# Altium PCB betrusted_dvt1b-dfm.PcbDoc (part 5 of 6)
Units mm, origin at the board's own origin, x right, y up, seen from the top; angles counter-clockwise.
Board outline 62.8 x 53.83 mm, 6 copper layers (L1, L2, L3, L6, L7, L8), stack 0.693 mm thick; 407 components, 299 nets, 1950 pads, 2038 vias.
Unrouted connection lines stored in the file: 1.
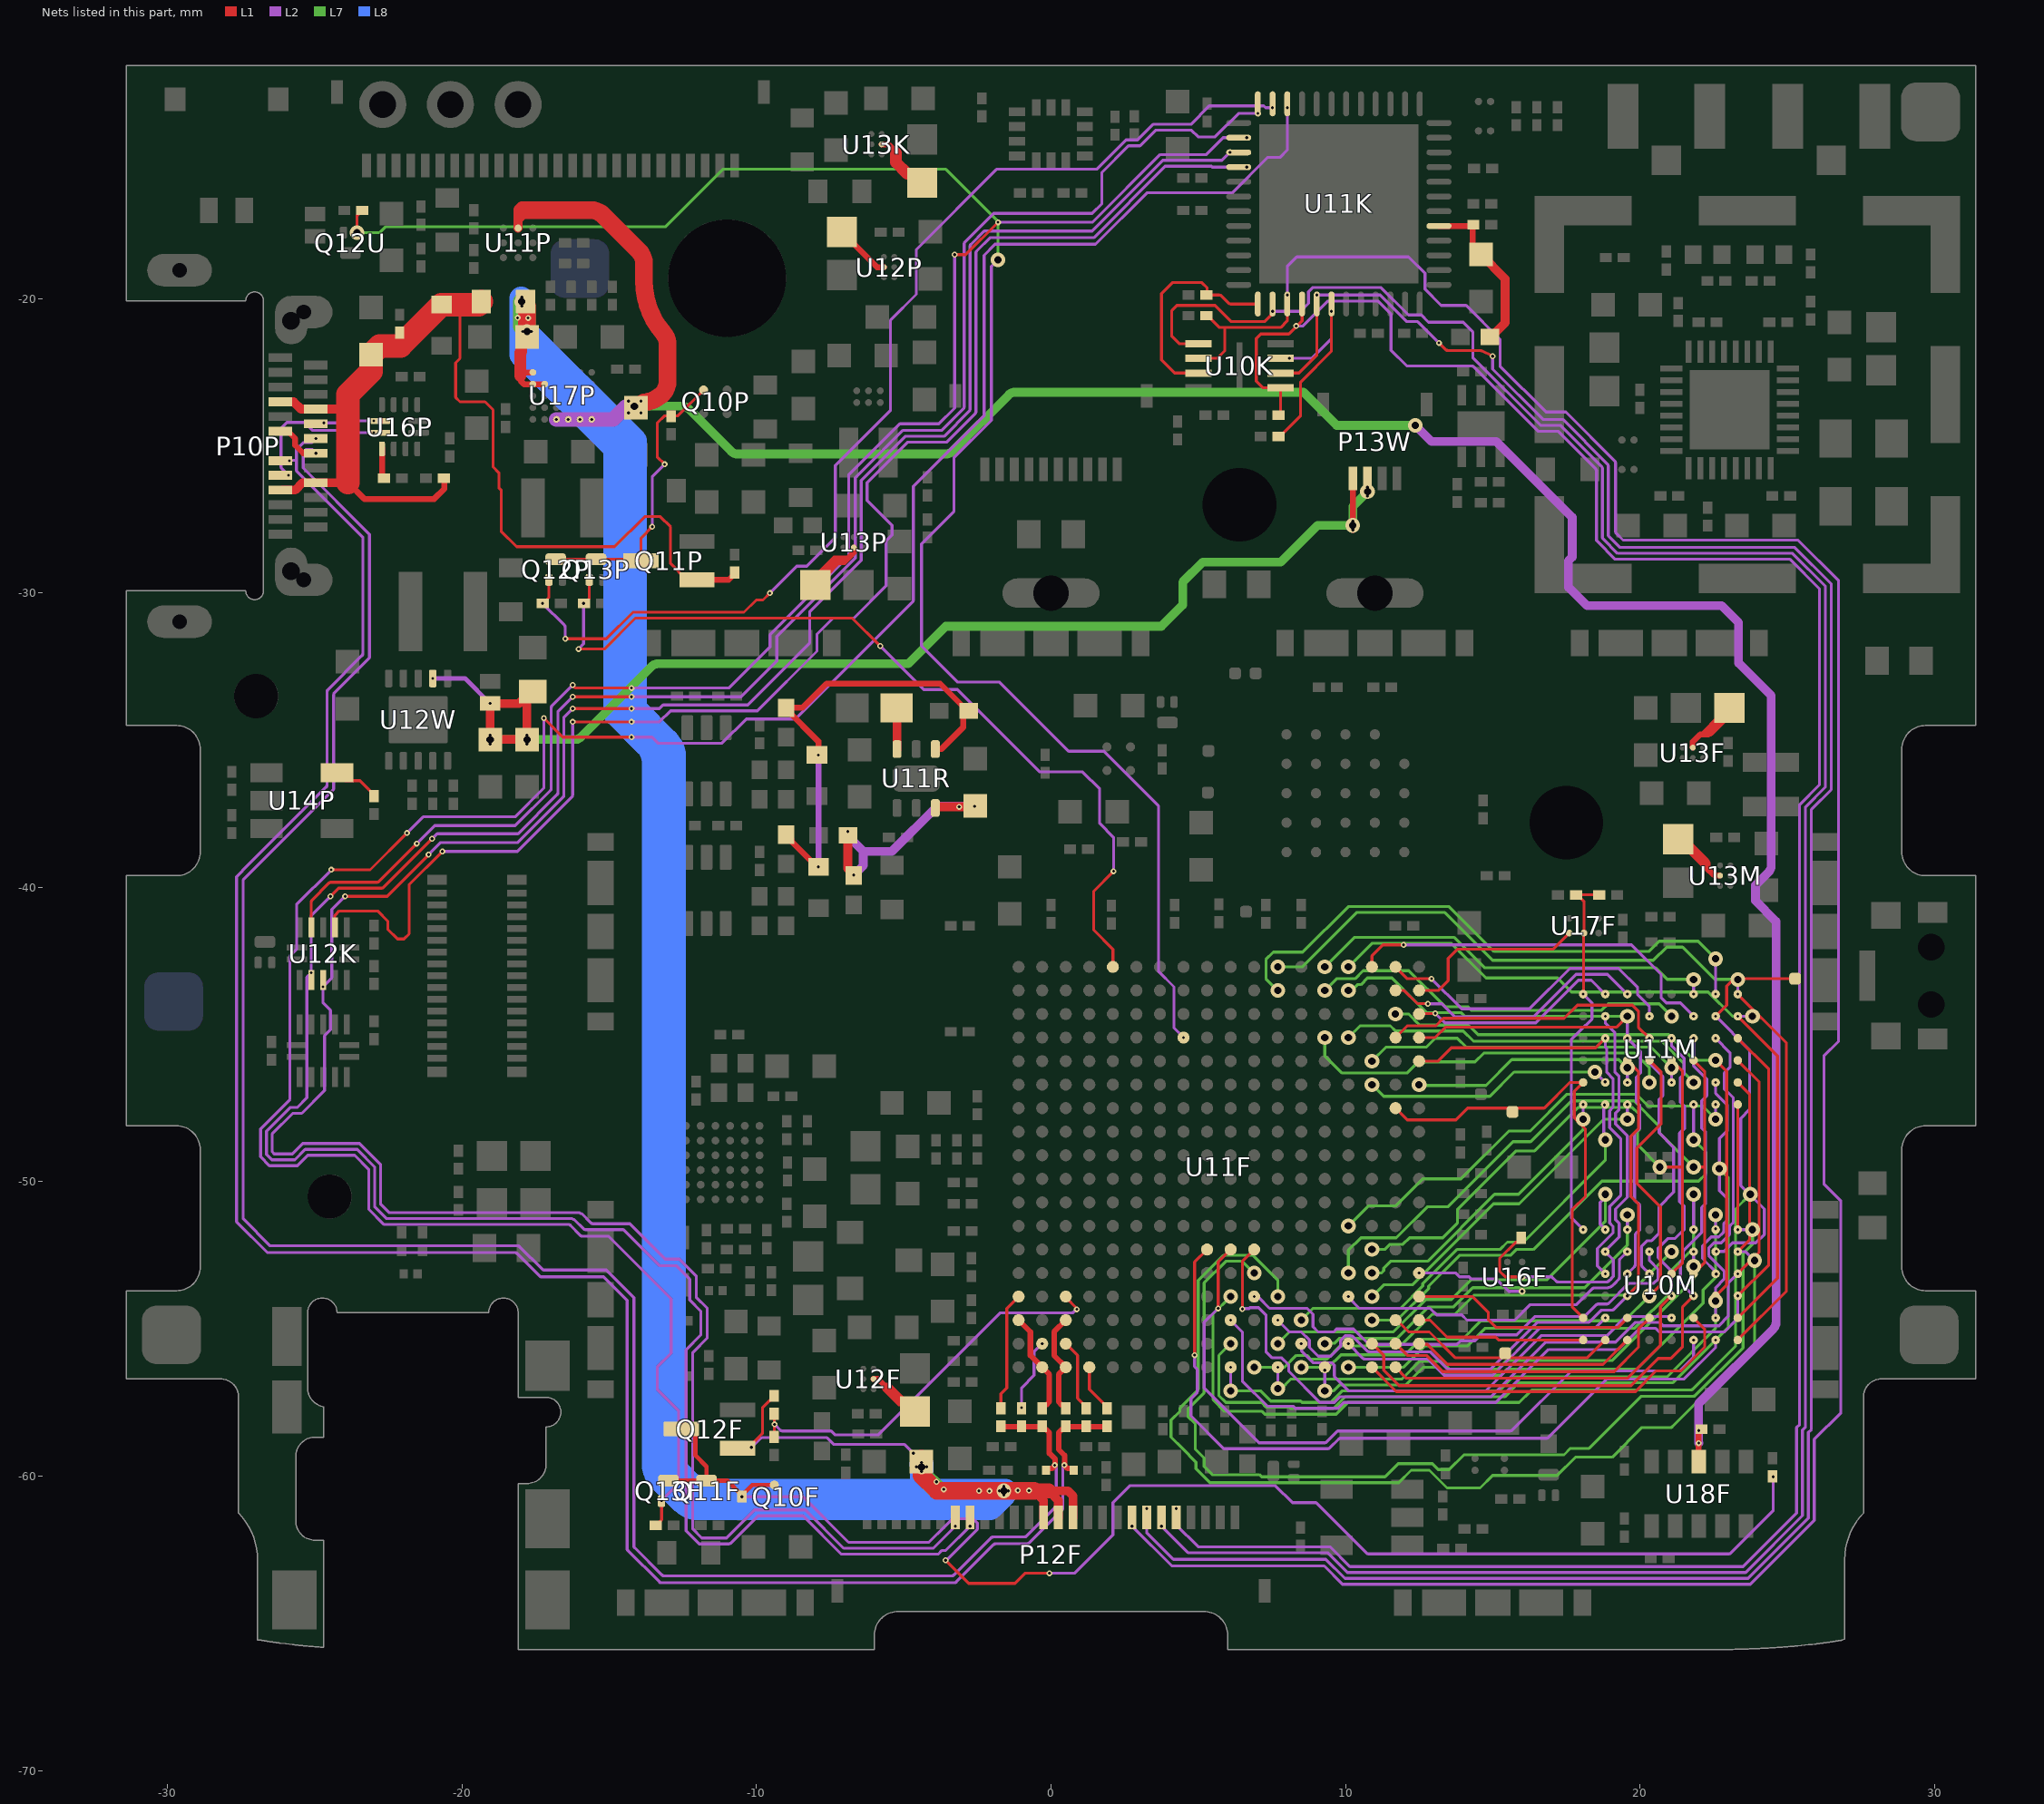
[diagram p9: the nets of this part, all layers, seen from the top]

## Via types
v1: diameter 0.2, hole 0.1, L1 to L2, tented both sides, 1324 vias
v2: diameter 0.5, hole 0.25, L2 to L7, tented both sides, 638 vias
v3: diameter 0.2, hole 0.1, L7 to L8, tented both sides, 44 vias
v4: diameter 0.5, hole 0.25, L1 to L8, 25 vias
v5: diameter 0.5, hole 0.2, L1 to L8, 4 vias
v6: diameter 0.4, hole 0.25, L1 to L8, 2 vias
v7: diameter 0.2, hole 0.1, L1 to L2, tented bottom, 1 vias

## Nets (pads, with @x,y where several pads share a name; then routed paths per layer and width w, separated by ;. In a path a pad name is that pad's centre, name@x,y a point inside that pad or via, vN(x,y) a via of type N, cw(c..) or ccw(c..) an arc to the next point about the centre after c; other vN are vias at no path point) (continued)
SRAM_A4: U10M.B4 U11F.V14 U11M.B4 | length 15.5
  L1 w0.1: U11F.V14@12.5,-45.9 13.15,-45.9 13.6,-45.45 18.5,-45.45 v1(18.825,-45.125)
  L2 w0.1: v1(18.825,-53.125) 18.56,-52.86 18.56,-52.265 19.09,-51.735 19.09,-51.515 18.975,-51.4 18.975,-50.841 19.35,-50.466 19.35,-48.534 18.975,-48.159 18.975,-47.585 19.086,-47.474 19.086,-46.489 18.875,-46.278 18.875,-45.475 18.825,-45.425 v1(18.825,-45.125)
SRAM_A5: U10M.C3 U11F.M3 U11M.C3 | length 22.9
  L1 w0.1: v1(19.575,-53.875) 19.95,-53.5 19.95,-50.75 19.7,-50.5 19.7,-48.45 19.95,-48.2 19.95,-46.25 U11M.C3@19.575,-45.875
  L2 w0.1: v1(7.7,-54.7) 8.1,-55.1 8.5,-55.1 8.775,-55.375 8.775,-55.625 9.075,-55.925 9.5,-55.925 9.835,-55.59 9.835,-55.39 9.99,-55.235 10.186,-55.235 cw(c10.186,-55.335) 10.257,-55.265 10.738,-55.746 ccw(c10.809,-55.675) 10.809,-55.775 12.875,-55.775 13.475,-56.375 14.924,-56.375 16.524,-54.775 18.275,-54.775 18.66,-54.39 cw(c18.73,-54.461) 18.73,-54.361 18.795,-54.361 ccw(c18.795,-54.261) 18.803,-54.361 cw(c18.825,-54.625) 18.847,-54.361 ccw(c18.855,-54.261) 18.855,-54.361 19.047,-54.361 ccw(c19.047,-54.261) 19.118,-54.332 v1(19.575,-53.875)
SRAM_A6: U10M.C4 U11F.R17 U11M.C4 | length 19.6
  L2 w0.1: v1(19.575,-53.125) 19.814,-52.886 ccw(c19.743,-52.815) 19.843,-52.815 19.843,-51.823 cw(c19.943,-51.823) 19.873,-51.752 20,-51.625 20,-50.8 19.825,-50.625 19.825,-48.35 20,-48.175 20,-47.4 19.875,-47.275 19.875,-46.442 20.025,-46.292 20.025,-45.575 v1(19.575,-45.125) v2(19.575,-44.375)
  L7 w0.1: v2(10.1,-43.5) 10.208,-43.5 10.408,-43.3 10.525,-43.3 10.75,-43.075 11.575,-43.075 12.75,-44.25 13.925,-44.25 14.05,-44.375 v2(19.575,-44.375)
  other v1: 10.1,-43.5
SRAM_A7: U10M.D4 U11F.U15 U11M.D4 | length 19
  L1 w0.1: U11F.U15@11.7,-45.1 12.1,-44.7 13.075,-44.7 13.325,-44.45 17.425,-44.45 17.875,-44 19.75,-44 19.95,-44.2 19.95,-44.75 v1(20.325,-45.125)
  L2 w0.1: v1(20.325,-53.125) 20.084,-52.884 cw(c20.154,-52.813) 20.054,-52.813 20.054,-52.237 cw(c20.154,-52.237) 20.084,-52.166 20.25,-52 20.4,-52 20.65,-51.75 20.65,-50.85 21.15,-50.35 21.15,-48.834 20.65,-48.334 20.65,-47.2 20.775,-47.075 20.775,-46.425 20.325,-45.975 v1(20.325,-45.125)
SRAM_A8: U10M.H5 U11F.M4 U11M.H2 | length 42.3
  L1 w0.1: v1(23.325,-52.375) 23.725,-51.975 23.725,-47.025 U11M.H2@23.325,-46.625
  L2 w0.1: v1(23.325,-52.375) 23.6,-52.375 v2(23.9,-52.675)
  L7 w0.1: v2(7.7,-53.9) 7.7,-53.334 6.866,-52.5 5.851,-52.5 5,-53.351 5,-57.029 cw(c4.9,-57.029) 4.971,-57.1 4.404,-57.666 ccw(c4.475,-57.737) 4.375,-57.737 4.375,-57.8 4.075,-58.1 4.075,-58.675 4.456,-59.056 4.926,-59.526 4.926,-59.751 5.4,-60.225 11.809,-60.225 12.234,-59.8 12.85,-59.8 13.45,-60.4 14.575,-60.4 15,-59.975 17.191,-59.975 17.811,-59.356 19.062,-59.356 20.068,-58.35 21.034,-58.35 ccw(c21.034,-58.25) 21.104,-58.321 23.9,-55.525 v2(23.9,-52.675)
  other v1: 7.7,-53.9
SRAM_A9: U10M.H4 U11F.L6 U11M.H3 | length 31.6
  L1 w0.1: v1(6.5,-54.325) 6.5,-52.7 U11F.L6@6.9,-52.3 ; v1(23.325,-53.125) 24.05,-52.4 24.05,-46.6 U11M.H3@23.325,-45.875
  L2 w0.1: v1(6.5,-54.325) 6.519,-54.306 6.728,-54.306 6.759,-54.275 7.05,-54.275 7.3,-54.525 7.3,-55.775 7.5,-55.975 7.825,-55.975 8.075,-56.225 8.075,-56.441 9.134,-57.5 9.625,-57.5 9.825,-57.3 14.95,-57.3 16.8,-55.45 19.175,-55.45 19.85,-54.775 20.675,-54.775 20.79,-54.89 22.685,-54.89 23,-54.575 23,-53.45 v1(23.325,-53.125)
SRAM_A10: U10M.H3 U11F.K3 U11M.H4 | length 31.2
  L1 w0.1: v1(23.325,-53.875) 24.375,-52.825 24.375,-46.175 U11M.H4@23.325,-45.125
  L2 w0.1: v1(6.1,-54.7) 6.5,-55.1 6.5,-56.775 7.35,-57.625 8.225,-57.625 8.3,-57.7 9.75,-57.7 9.95,-57.5 15.1,-57.5 16.9,-55.7 19.275,-55.7 20,-54.975 20.525,-54.975 20.65,-55.1 22.875,-55.1 23.325,-54.65 v1(23.325,-53.875)
SRAM_A11: U10M.H2 U11F.R18 U11M.H5 | length 26.9
  L1 w0.1: U10M.H2@23.325,-54.625 24.675,-53.275 24.675,-45.725 v1(23.325,-44.375)
  L2 w0.1: v1(23.325,-44.375) v2(23.825,-44.375)
  L7 w0.1: v2(10.1,-42.7) 10.9,-41.9 13.6,-41.9 14.775,-43.075 17.2,-43.075 17.675,-43.55 22.316,-43.55 23.141,-44.375 v2(23.825,-44.375)
  other v1: 10.1,-42.7
SRAM_A12: U10M.G3 U11F.U16 U11M.G3 | length 19.8
  L1 w0.1: U10M.G3@22.575,-53.875 22.95,-53.5 22.95,-46.25 v1(22.575,-45.875)
  L7 w0.1: v2(11.7,-44.3) 12.15,-44.3 12.525,-44.675 14.175,-44.675 14.5,-45 20.975,-45 21.85,-45.875 v1(22.575,-45.875)
  other v1: 11.7,-44.3
  other v2: 22.575,-45.875
SRAM_A13: U10M.G2 U11F.K1 U11M.G4 | length 30.1
  L2 w0.1: v2(6.1,-57.1) v1(6.1,-56.3) ; v1(22.575,-54.625) v2(22.575,-54.05) 22.575,-53.592 22.862,-53.305 22.862,-53.024 22.338,-52.5 22.338,-52.254 22.516,-52.075 22.761,-52.075 23.021,-51.816 ccw(c22.95,-51.745) 23.05,-51.745 23.05,-51.54 cw(c23.15,-51.54) 23.079,-51.469 23.175,-51.374 23.175,-47.15 22.875,-46.85 22.875,-46.3 23.063,-46.112 23.063,-45.612 v1(22.575,-45.125)
  L7 w0.1: v2(6.1,-57.1) 7.113,-57.1 7.462,-57.45 8.475,-57.45 8.525,-57.5 9.5,-57.5 9.9,-57.1 15.225,-57.1 15.7,-56.625 20.925,-56.625 22.575,-54.975 v2(22.575,-54.05)
SRAM_A14: U10M.F4 U11F.R5 U11M.F3 | length 23.6
  L1 w0.1: U10M.F4@21.825,-53.125 22.2,-52.75 22.2,-49.5 ; v2(21.825,-49.5) 22.2,-49.5 ; U11M.F3@21.825,-45.875 22.2,-46.25 22.2,-49.5
  L7 w0.1: v2(10.1,-53.1) 10.1,-52.325 10.525,-51.9 11.725,-51.9 12.775,-50.85 13.475,-50.85 15.688,-48.637 16.288,-48.637 17.675,-47.25 19.799,-47.25 20.675,-48.126 20.675,-48.35 v2(21.825,-49.5)
  other v1: 10.1,-53.1 21.825,-49.5
SRAM_A15: U10M.F3 U11F.T2 U11M.F4 | length 23.5
  L1 w0.1: U11F.T2@10.9,-55.5 11.3,-55.9 11.3,-56.402 11.823,-56.925 19.7,-56.925 20.625,-56 21.05,-56 21.45,-55.6 21.45,-54.25 v1(21.825,-53.875)
  L2 w0.1: v1(21.825,-53.875) 21.375,-53.425 21.375,-52.736 21.475,-52.636 21.475,-52.392 cw(c21.575,-52.392) 21.504,-52.321 22.071,-51.754 ccw(c22,-51.684) 22.1,-51.684 22.1,-50.875 22.225,-50.75 22.225,-48.3 22.1,-48.175 22.1,-47.25 22.275,-47.075 22.275,-46.509 21.825,-46.059 v1(21.825,-45.125)
SRAM_A16: U10M.E3 U11F.U1 U11M.E4 | length 21.3
  L1 w0.1: U11F.U1@11.7,-56.3 12.075,-56.675 19.575,-56.675 20.7,-55.55 20.7,-54.25 v1(21.075,-53.875)
  L2 w0.1: v1(21.075,-53.875) 21.075,-53.025 20.625,-52.575 20.625,-52.259 20.959,-51.925 21.2,-51.925 21.5,-51.625 21.5,-50.825 21.35,-50.675 21.35,-48.35 21.525,-48.175 21.525,-47.45 21.375,-47.3 21.375,-46.462 21.5,-46.337 21.5,-45.8 21.075,-45.375 v1(21.075,-45.125)
SRAM_A17: U10M.D3 U11F.N1 U11M.D3 | length 21.8
  L1 w0.1: v1(20.325,-53.875) 20.7,-53.5 20.7,-50.85 19.9,-50.05 19.9,-48.85 20.725,-48.025 20.725,-46.275 U11M.D3@20.325,-45.875
  L7 w0.1: v2(8.5,-56.3) 9.425,-56.3 9.85,-55.875 12.025,-55.875 12.55,-55.35 13.975,-55.35 14.6,-54.725 19.475,-54.725 v1(20.325,-53.875)
  other v1: 8.5,-56.3
  other v2: 20.325,-53.875
SRAM_A18: U10M.H6 U11F.L5 U11M.H1 | length 38.2
  L1 w0.1: v1(23.325,-51.625) U11M.H1@23.325,-47.375
  L2 w0.1: v1(23.325,-51.625) v2(23.825,-51.625)
  L7 w0.1: v1(6.9,-53.1) 6.5,-52.7 5.934,-52.7 5.2,-53.434 5.2,-57.13 cw(c5.1,-57.13) 5.171,-57.201 4.679,-57.692 ccw(c4.75,-57.763) 4.65,-57.763 4.65,-57.975 4.9,-58.225 4.9,-59.083 5.2,-59.383 5.2,-59.675 5.475,-59.95 7.075,-59.95 7.15,-60.025 11.343,-60.025 11.793,-59.575 12.95,-59.575 13.15,-59.775 13.525,-59.775 14.025,-59.275 17.425,-59.275 17.641,-59.059 18.274,-59.059 20.047,-57.285 21.816,-57.285 ccw(c21.816,-57.185) 21.886,-57.256 23.5,-55.642 23.5,-52.442 23.825,-52.117 v2(23.825,-51.625)
  other v2: 6.9,-53.1
SRAM_A19: U10M.G4 U11F.K2 U11M.G2 | length 33.7
  L2 w0.1: v1(22.575,-46.625) 22.575,-47 22.975,-47.4 22.975,-48.25 22.7,-48.525 v2(22.7,-49.55) 22.7,-50.3 22.975,-50.575 22.975,-51.291 22.879,-51.386 ccw(c22.95,-51.457) 22.85,-51.457 22.85,-51.662 cw(c22.75,-51.662) 22.821,-51.733 22.679,-51.875 22.425,-51.875 22.125,-52.175 22.125,-52.604 22.597,-53.076 v1(22.597,-53.134)
  L7 w0.1: v2(6.1,-55.5) 5.7,-55.9 5.7,-57.266 5.934,-57.5 7.15,-57.5 7.3,-57.65 8.091,-57.65 8.141,-57.7 9.6,-57.7 10,-57.3 15.425,-57.3 15.9,-56.825 21.125,-56.825 23,-54.95 23,-49.85 v2(22.7,-49.55)
  other v1: 6.1,-55.5
SRAM_A20: U10M.H1 U11F.M18 U11M.H6 | length 31.3
  L1 w0.1: U10M.H1@23.325,-55.375 24.975,-53.725 24.975,-45.275 v1(23.325,-43.625)
  L2 w0.1: v1(23.325,-43.625) v2(23.325,-43.125)
  L7 w0.1: v2(7.7,-42.7) 8.525,-42.7 10.375,-40.85 13.375,-40.85 15,-42.475 20.459,-42.475 20.909,-42.025 21.45,-42.025 22.55,-43.125 v2(23.325,-43.125)
  other v1: 7.7,-42.7
SRAM_A21: U10M.E4 U11F.T6 U11M.E3 | length 21.9
  L1 w0.1: v2(20.675,-49.5) 21.45,-49.5 ; U10M.E4@21.075,-53.125 21.45,-52.75 21.45,-49.5 ; U11M.E3@21.075,-45.875 21.45,-46.25 21.45,-49.5
  L7 w0.1: v2(10.9,-52.3) 11.338,-52.3 11.513,-52.125 11.95,-52.125 12.175,-51.9 13.308,-51.9 13.804,-51.404 13.804,-50.946 15.8,-48.95 16.425,-48.95 17.9,-47.475 19.741,-47.475 19.941,-47.675 19.975,-47.709 19.975,-48.233 19.925,-48.283 19.925,-48.75 v2(20.675,-49.5)
  other v1: 10.9,-52.3 20.675,-49.5
SRAM_CE_N: U11F.V5 U16F.A1 | length 3.8
  L2 w0.1: v1(12.5,-53.1) 13.75,-53.1 13.875,-53.225 14.2,-53.225 14.275,-53.3 15.125,-53.3 15.55,-53.725 v1(16,-53.725)
SRAM_CE_N_1.8: R11M.2 U10M.B5 U11M.B5 U16F.B1 | length 15.3
  L1 w0.1: R11M.2@15.975,-51.925 15.975,-51.965 15.88,-52.06 15.779,-52.06 15.235,-52.604 15.235,-53.035 15.425,-53.225 v1(16,-53.225)
  L2 w0.1: v1(16,-53.225) 17,-53.225 17.149,-53.374 ccw(c17.219,-53.303) 17.219,-53.403 18.873,-53.403 ccw(c18.873,-53.303) 18.943,-53.374 18.964,-53.353 cw(c19.035,-53.423) 18.978,-53.342 ccw(c18.825,-53.125) 19.042,-53.278 cw(c19.123,-53.335) 19.052,-53.265 19.1,-53.217 19.1,-52.65 v1(18.825,-52.375) 18.825,-52.348 19.3,-51.873 19.3,-51.416 19.175,-51.291 19.175,-50.925 19.575,-50.525 19.575,-48.441 19.175,-48.041 19.175,-47.668 19.286,-47.557 19.286,-46.406 19.15,-46.27 19.15,-44.927 18.825,-44.602 v1(18.825,-44.375)
SRAM_D0: U10M.B6 U11F.M2 | length 15.1
  L2 w0.1: v1(18.825,-51.625) 18.825,-51.621 18.65,-51.446 18.65,-50.7 18.825,-50.525 v2(18.825,-50.425)
  L7 w0.1: v2(7.7,-55.5) 8.1,-55.1 11.631,-55.1 12.731,-54 13.6,-54 14.275,-53.325 16.85,-53.325 18.825,-51.35 v2(18.825,-50.425)
  other v1: 7.7,-55.5
SRAM_D1: U10M.C5 U11F.R4 | length 11.1
  L2 w0.1: v1(10.1,-53.9) 10.1,-53.925 10.475,-54.3 12.875,-54.3 13.1,-54.525 13.954,-54.525 14.129,-54.7 15.75,-54.7 16.275,-54.175 17.85,-54.175 18.393,-53.632 ; 18.393,-53.632 cw(c18.463,-53.704) 18.463,-53.604 18.873,-53.603 ccw(c18.873,-53.303) 19.071,-53.528 19.133,-53.474 ccw(c18.825,-53.125) 19.164,-53.443 19.271,-53.329 cw(c19.344,-53.398) 19.272,-53.328 ccw(c19.201,-53.257) 19.301,-53.257 19.301,-52.69 cw(c19.401,-52.69) 19.331,-52.619 v1(19.575,-52.375)
SRAM_D2: U10M.C6 U11F.P2 | length 13.2
  L2 w0.1: v1(19.575,-51.625) v2(19.575,-51.125)
  L7 w0.1: v2(9.3,-55.5) 9.316,-55.484 9.634,-55.484 9.792,-55.325 11.75,-55.325 12.825,-54.25 13.675,-54.25 14.325,-53.6 18.125,-53.6 19.575,-52.15 v2(19.575,-51.125)
  other v1: 9.3,-55.5
SRAM_D3: U10M.D5 U11F.L4 | length 16.7
  L2 w0.1: v1(6.9,-53.9) 6.919,-53.919 7.044,-53.919 7.425,-54.3 8.7,-54.3 8.9,-54.5 8.9,-54.925 9.075,-55.1 9.6,-55.1 9.7,-55 10.275,-55 10.8,-55.525 13.787,-55.525 13.912,-55.4 14.4,-55.4 14.6,-55.2 15.816,-55.2 16.324,-54.692 16.441,-54.575 18.125,-54.575 18.518,-54.182 cw(c18.588,-54.253) 18.588,-54.153 18.859,-54.153 ccw(c18.859,-54.001) 18.966,-54.109 ; 18.967,-54.108 19.595,-53.48 cw(c19.667,-53.55) 19.666,-53.45 20.475,-53.45 20.625,-53.3 20.625,-52.975 20.325,-52.675 v1(20.325,-52.375)
SRAM_D4: U10M.E5 U11F.L1 | length 15.9
  L7 w0.1: v2(6.9,-56.3) 7.934,-56.3 8.334,-55.9 8.7,-55.9 8.825,-56.025 9.375,-56.025 9.825,-55.575 11.875,-55.575 12.95,-54.5 13.725,-54.5 14.375,-53.85 19.6,-53.85 v1(21.075,-52.375)
  other v1: 6.9,-56.3
  other v2: 21.075,-52.375
SRAM_D5: U10M.F5 U11F.M1 | length 17.6
  L2 w0.1: v2@7.7,-57.1 v1(7.7,-56.3) ; v2(21.825,-52.875) v1(21.825,-52.375)
  L7 w0.1: v2(7.7,-57.028) 7.822,-57.028 8.15,-56.7 11.925,-56.7 12.525,-56.1 13.259,-56.1 13.534,-56.375 15.167,-56.375 15.467,-56.075 19.05,-56.075 21.825,-53.3 v2(21.825,-52.875)
SRAM_D6: U10M.F6 U11F.R1 | length 16.9
  L2 w0.1: v1(21.825,-51.625) v2(21.825,-50.425)
  L7 w0.1: v2(10.1,-56.3) 11.975,-56.3 12.7,-55.575 14.15,-55.575 14.75,-54.975 19.825,-54.975 21.05,-53.75 21.05,-53.025 21.825,-52.25 v2(21.825,-50.425)
  other v1: 10.1,-56.3
SRAM_D7: U10M.G6 U11F.P1 | length 18.7
  L2 w0.1: v2(9.3,-57.1) v1(9.3,-56.4) ; v1@22.575,-51.625 v2(22.575,-51.125)
  L7 w0.1: v2(9.3,-57.1) 9.6,-57.1 9.8,-56.9 12.05,-56.9 12.65,-56.3 13.102,-56.3 13.377,-56.575 15.272,-56.575 15.472,-56.375 19.9,-56.375 22.15,-54.125 22.15,-53.675 22.575,-53.25 v2(22.575,-51.125)
  other v1: 22.571,-51.595
SRAM_D8: J14M.1 U10M.B1 U11F.U3 | length 7.9
  L1 w0.1: U11F.U3@11.7,-54.7 11.75,-54.7 12.15,-55.1 12.85,-55.1 13.725,-55.975 18.225,-55.975 U10M.B1@18.825,-55.375
SRAM_D9: U10M.C1 U11F.V2 | length 7.7
  L1 w0.1: U11F.V2@12.5,-55.5 12.525,-55.525 12.78,-55.525 13.455,-56.2 18.75,-56.2 U10M.C1@19.575,-55.375
SRAM_D10: U10M.C2 U11F.V4 | length 7.8
  L1 w0.1: U11F.V4@12.5,-53.9 14.325,-53.9 14.85,-54.425 14.85,-54.675 15.125,-54.95 19.25,-54.95 U10M.C2@19.575,-54.625
SRAM_D11: U10M.D2 U11F.U2 | length 10.1
  L1 w0.1: U11F.U2@11.7,-55.5 12.1,-55.9 12.75,-55.9 13.3,-56.45 19.125,-56.45 19.95,-55.625 19.95,-55 U10M.D2@20.325,-54.625
SRAM_D12: U10M.E2 U11F.N2 | length 14.7
  L2 w0.1: v1(8.5,-55.5) 8.516,-55.516 8.516,-55.75 8.916,-56.15 9.197,-56.15 ccw(c9.196,-56.05) 9.225,-56.146 cw(c9.3,-56.4) 9.375,-56.146 ccw(c9.404,-56.05) 9.404,-56.15 9.509,-56.15 cw(c9.509,-56.25) 9.58,-56.18 9.595,-56.195 cw(c9.525,-56.266) 9.625,-56.266 9.625,-56.584 ccw(c9.725,-56.584) 9.654,-56.654 10.1,-57.1 14.775,-57.1 16.65,-55.225 18.875,-55.225 19.525,-54.575 21.03,-54.575 v1(21.075,-54.621)
SRAM_D13: U10M.F2 U11F.T1 | length 13.4
  L1 w0.1: U11F.T1@10.9,-56.3 11.725,-57.125 19.85,-57.125 20.55,-56.425 21.4,-56.425 22.2,-55.625 22.2,-55 U10M.F2@21.825,-54.625
SRAM_D14: U10M.F1 U11F.K6 | length 24.2
  L1 w0.1: v1(5.675,-54.3) 5.675,-52.725 U11F.K6@6.1,-52.3
  L2 w0.1: v1(5.675,-54.3) 5.2,-54.775 5.2,-57 7.067,-58.867 9.289,-58.867 ccw(c9.289,-58.767) 9.36,-58.838 9.705,-58.493 cw(c9.776,-58.564) 9.776,-58.464 15.595,-58.464 ccw(c15.595,-58.364) 15.666,-58.434 17.675,-56.425 21.35,-56.425 21.825,-55.95 v1(21.825,-55.375)
SRAM_D15: U10M.G1 U11F.J6 | length 25.9
  L1 w0.1: v1(4.874,-55.888) 4.874,-52.726 U11F.J6@5.3,-52.3
  L2 w0.1: v1(4.874,-55.888) 4.874,-56.274 4.939,-56.339 cw(c4.869,-56.41) 4.969,-56.41 4.969,-57.115 cw(c4.869,-57.115) 4.939,-57.186 4.75,-57.375 4.75,-57.95 5.868,-59.068 9.4,-59.068 ccw(c9.4,-58.968) 9.471,-59.039 9.768,-58.742 cw(c9.839,-58.813) 9.839,-58.713 16.821,-58.713 ccw(c16.821,-58.613) 16.892,-58.683 18.845,-56.73 cw(c18.916,-56.8) 18.916,-56.7 21.5,-56.7 22.575,-55.625 v1(22.575,-55.375)
SRAM_D16: U11F.V16 U11M.B6 | length 7.3
  L1 w0.1: U11F.V16@12.5,-44.3 12.512,-44.287 13.038,-44.287 v1(13.05,-44.275)
  L2 w0.1: v1(13.05,-44.275) 13.375,-44.6 16.464,-44.6 17.914,-43.15 18.35,-43.15 v1(18.825,-43.625)
SRAM_D17: U11F.V15 U11M.C5 | length 7.4
  L1 w0.1: U11F.V15@12.5,-45.1 13.05,-45.1 13.4,-44.75 19.2,-44.75 U11M.C5@19.575,-44.375
SRAM_D18: U11F.U17 U11M.C6 | length 9.1
  L1 w0.1: U11F.U17@11.7,-43.5 11.998,-43.5 12.443,-43.945 12.795,-43.945 v1(12.8,-43.95)
  L2 w0.1: v1(12.8,-43.95) 13.275,-43.95 13.725,-44.4 16.381,-44.4 17.831,-42.95 18.9,-42.95 v1(19.575,-43.625)
SRAM_D19: U11F.U18 U11M.D5 | length 10.8
  L1 w0.1: U11F.U18@11.7,-42.7 12.1,-43.1 v1(12.925,-43.1)
  L2 w0.1: v1(12.925,-43.1) 13.95,-44.125 16.25,-44.125 17.625,-42.75 19.275,-42.75 19.925,-43.4 19.925,-43.65 20.325,-44.05 v1(20.325,-44.375)
SRAM_D20: U11F.P17 U11M.E5 | length 12.9
  L7 w0.1: v2(9.3,-43.5) 9.7,-43.1 10.325,-43.1 10.6,-42.825 12.15,-42.825 13.375,-44.05 14.15,-44.05 14.275,-44.175 18.7,-44.175 18.925,-43.95 20.65,-43.95 v2(21.075,-44.375)
  other v1: 21.075,-44.375 9.3,-43.5
SRAM_D21: U11F.T18 U11M.F5 | length 12.9
  L1 w0.1: U11F.T18@10.9,-42.7 10.9,-42.325 11.275,-41.95 v1(11.975,-41.95)
  L2 w0.1: v1(11.975,-41.95) 12.525,-41.95 19.716,-41.95 20.725,-42.959 20.725,-43.75 20.9,-43.925 21.375,-43.925 v1(21.825,-44.375)
SRAM_D22: U11F.P18 U11M.F6 | length 14
  L2 w0.1: v1(21.825,-43.625) v2(21.825,-43.125)
  L7 w0.1: v2(9.3,-42.7) 10.3,-41.7 13.7,-41.7 14.725,-42.725 20.525,-42.725 20.925,-43.125 v2(21.825,-43.125)
  other v1: 9.3,-42.7
SRAM_D23: U11F.M17 U11M.G6 | length 19.5
  L2 w0.1: v1(22.575,-43.625) v2(22.575,-42.425)
  L7 w0.1: v1(7.7,-43.5) 7.3,-43.1 7.3,-42.45 7.55,-42.2 8.55,-42.2 10.1,-40.65 13.525,-40.65 15.05,-42.175 20.3,-42.175 20.65,-41.825 21.975,-41.825 v2(22.575,-42.425)
  other v2: 7.7,-43.5
SRAM_D24: U11F.N3 U11M.B1 | length 14.5
  L2 w0.1: v1(18.794,-47.391) 18.775,-47.41 18.775,-48.525 v2(18.825,-48.575)
  L7 w0.1: v2(8.5,-54.7) 8.9,-54.3 11.866,-54.3 12.625,-53.541 12.625,-53.461 13.786,-52.3 15.25,-52.3 15.5,-52.05 16.05,-52.05 18.825,-49.275 v2(18.825,-48.575)
  other v1: 8.5,-54.7
SRAM_D25: U11F.T4 U11M.C1 | length 11.7
  L2 w0.1: v2(19.575,-47.875) v1(19.575,-47.375)
  L7 w0.1: v2(10.9,-53.9) 11.3,-53.5 12.275,-53.5 15.025,-50.75 15.9,-50.75 18.775,-47.875 v2(19.575,-47.875)
  other v1: 10.9,-53.9
SRAM_D26: U11F.V13 U11M.C2 | length 8.1
  L2 w0.1: v1(19.575,-46.625) v2(19.575,-46.125)
  L7 w0.1: v2(12.5,-46.7) 12.525,-46.725 14.775,-46.725 15.65,-45.85 19.284,-45.85 19.559,-46.125 v2(19.575,-46.125)
  other v1: 12.5,-46.7
SRAM_D27: U11F.P15 U11M.D2 | length 12.9
  L7 w0.1: v2(9.3,-45.1) 9.3,-45.725 9.875,-46.3 12.1,-46.3 12.475,-45.925 14.4,-45.925 14.7,-45.625 19.825,-45.625 20.325,-46.125 v2(20.325,-46.625)
  other v1: 20.325,-46.625 9.3,-45.1
SRAM_D28: U11F.T14 U11M.E2 | length 11.4
  L2 w0.1: v1(21.075,-46.625) v2(21.075,-46.125)
  L7 w0.1: v2(10.9,-45.9) 11.375,-45.425 12.75,-45.425 13.05,-45.125 13.8,-45.125 14.1,-45.425 20.375,-45.425 v2(21.075,-46.125)
  other v1: 10.9,-45.9
SRAM_D29: U11F.R15 U11M.F2 | length 12.9
  L7 w0.1: v2(10.1,-45.1) 10.5,-44.7 11.525,-44.7 11.7,-44.875 14,-44.875 14.35,-45.225 20.741,-45.225 21.5,-45.984 21.5,-46.3 v1(21.825,-46.625)
  other v1: 10.1,-45.1
  other v2: 21.825,-46.625
SRAM_D30: U11F.T3 U11M.F1 | length 16
  L2 w0.1: v2(21.825,-48.575) v1(21.825,-47.375)
  L7 w0.1: v2(10.9,-54.7) 11.749,-54.7 12.825,-53.624 12.825,-53.544 13.869,-52.5 15.6,-52.5 15.8,-52.3 16.381,-52.3 18.706,-49.975 22,-49.975 22.25,-49.725 22.25,-49 v2(21.825,-48.575)
  other v1: 10.9,-54.7
SRAM_D31: U11F.R7 U11M.G1 | length 15.2
  L2 w0.1: v2(22.575,-47.875) v1(22.575,-47.375)
  L7 w0.1: v2(10.1,-51.5) 10.78,-50.82 11.705,-50.82 12.625,-49.9 13.925,-49.9 15.55,-48.275 16.275,-48.275 17.525,-47.025 19.875,-47.025 20.275,-47.425 22.125,-47.425 v2(22.575,-47.875)
  other v1: 10.1,-51.5
SRAM_DM0: U10M.A1 U11F.V3 | length 5.9
  L1 w0.1: U11F.V3@12.5,-54.7 12.875,-54.7 13.45,-55.275 15.1,-55.275 15.2,-55.375 U10M.A1@18.075,-55.375
SRAM_DM1: U10M.B2 U11F.R2 | length 10